# Altium PCB 电磁阀V3.0.PcbDoc (part 1 of 2)
Units mm, origin at the board's own origin, x right, y up, seen from the top; angles counter-clockwise.
Board outline 110.27 x 95.22 mm, 2 copper layers (Top Layer, Bottom Layer); 189 components, 127 nets, 558 pads, 104 vias.
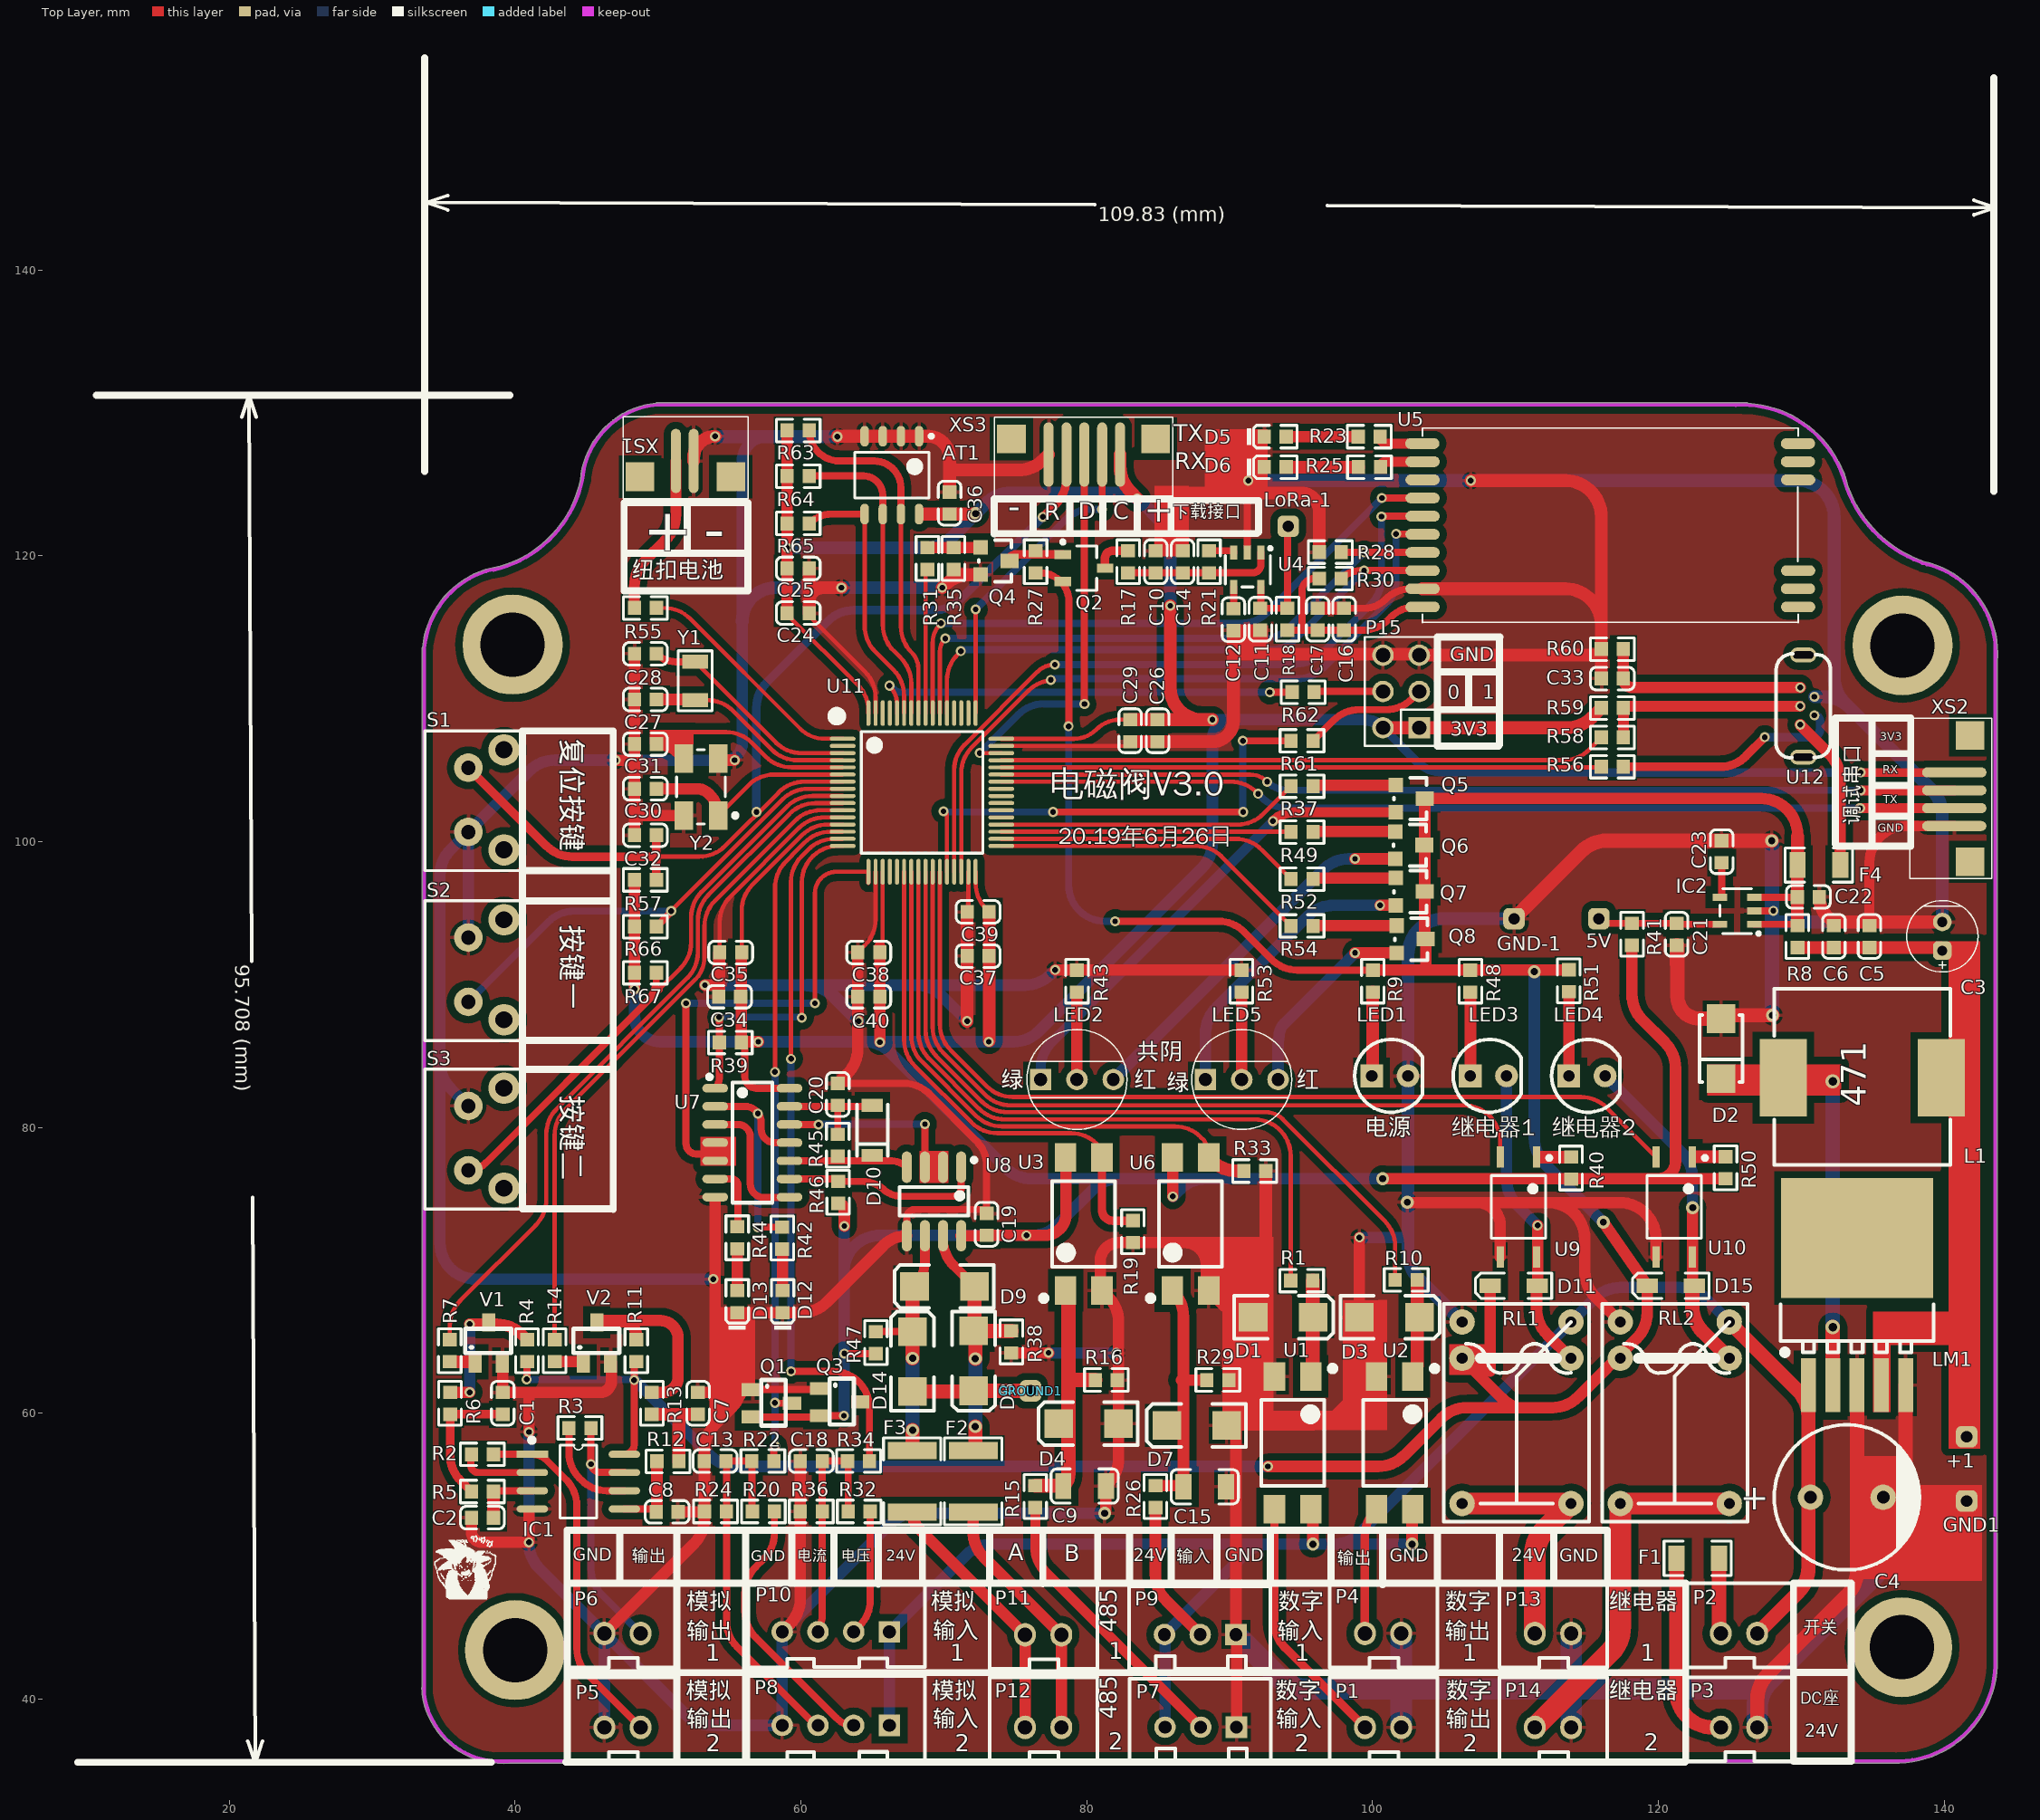
[diagram p0: Top Layer view]
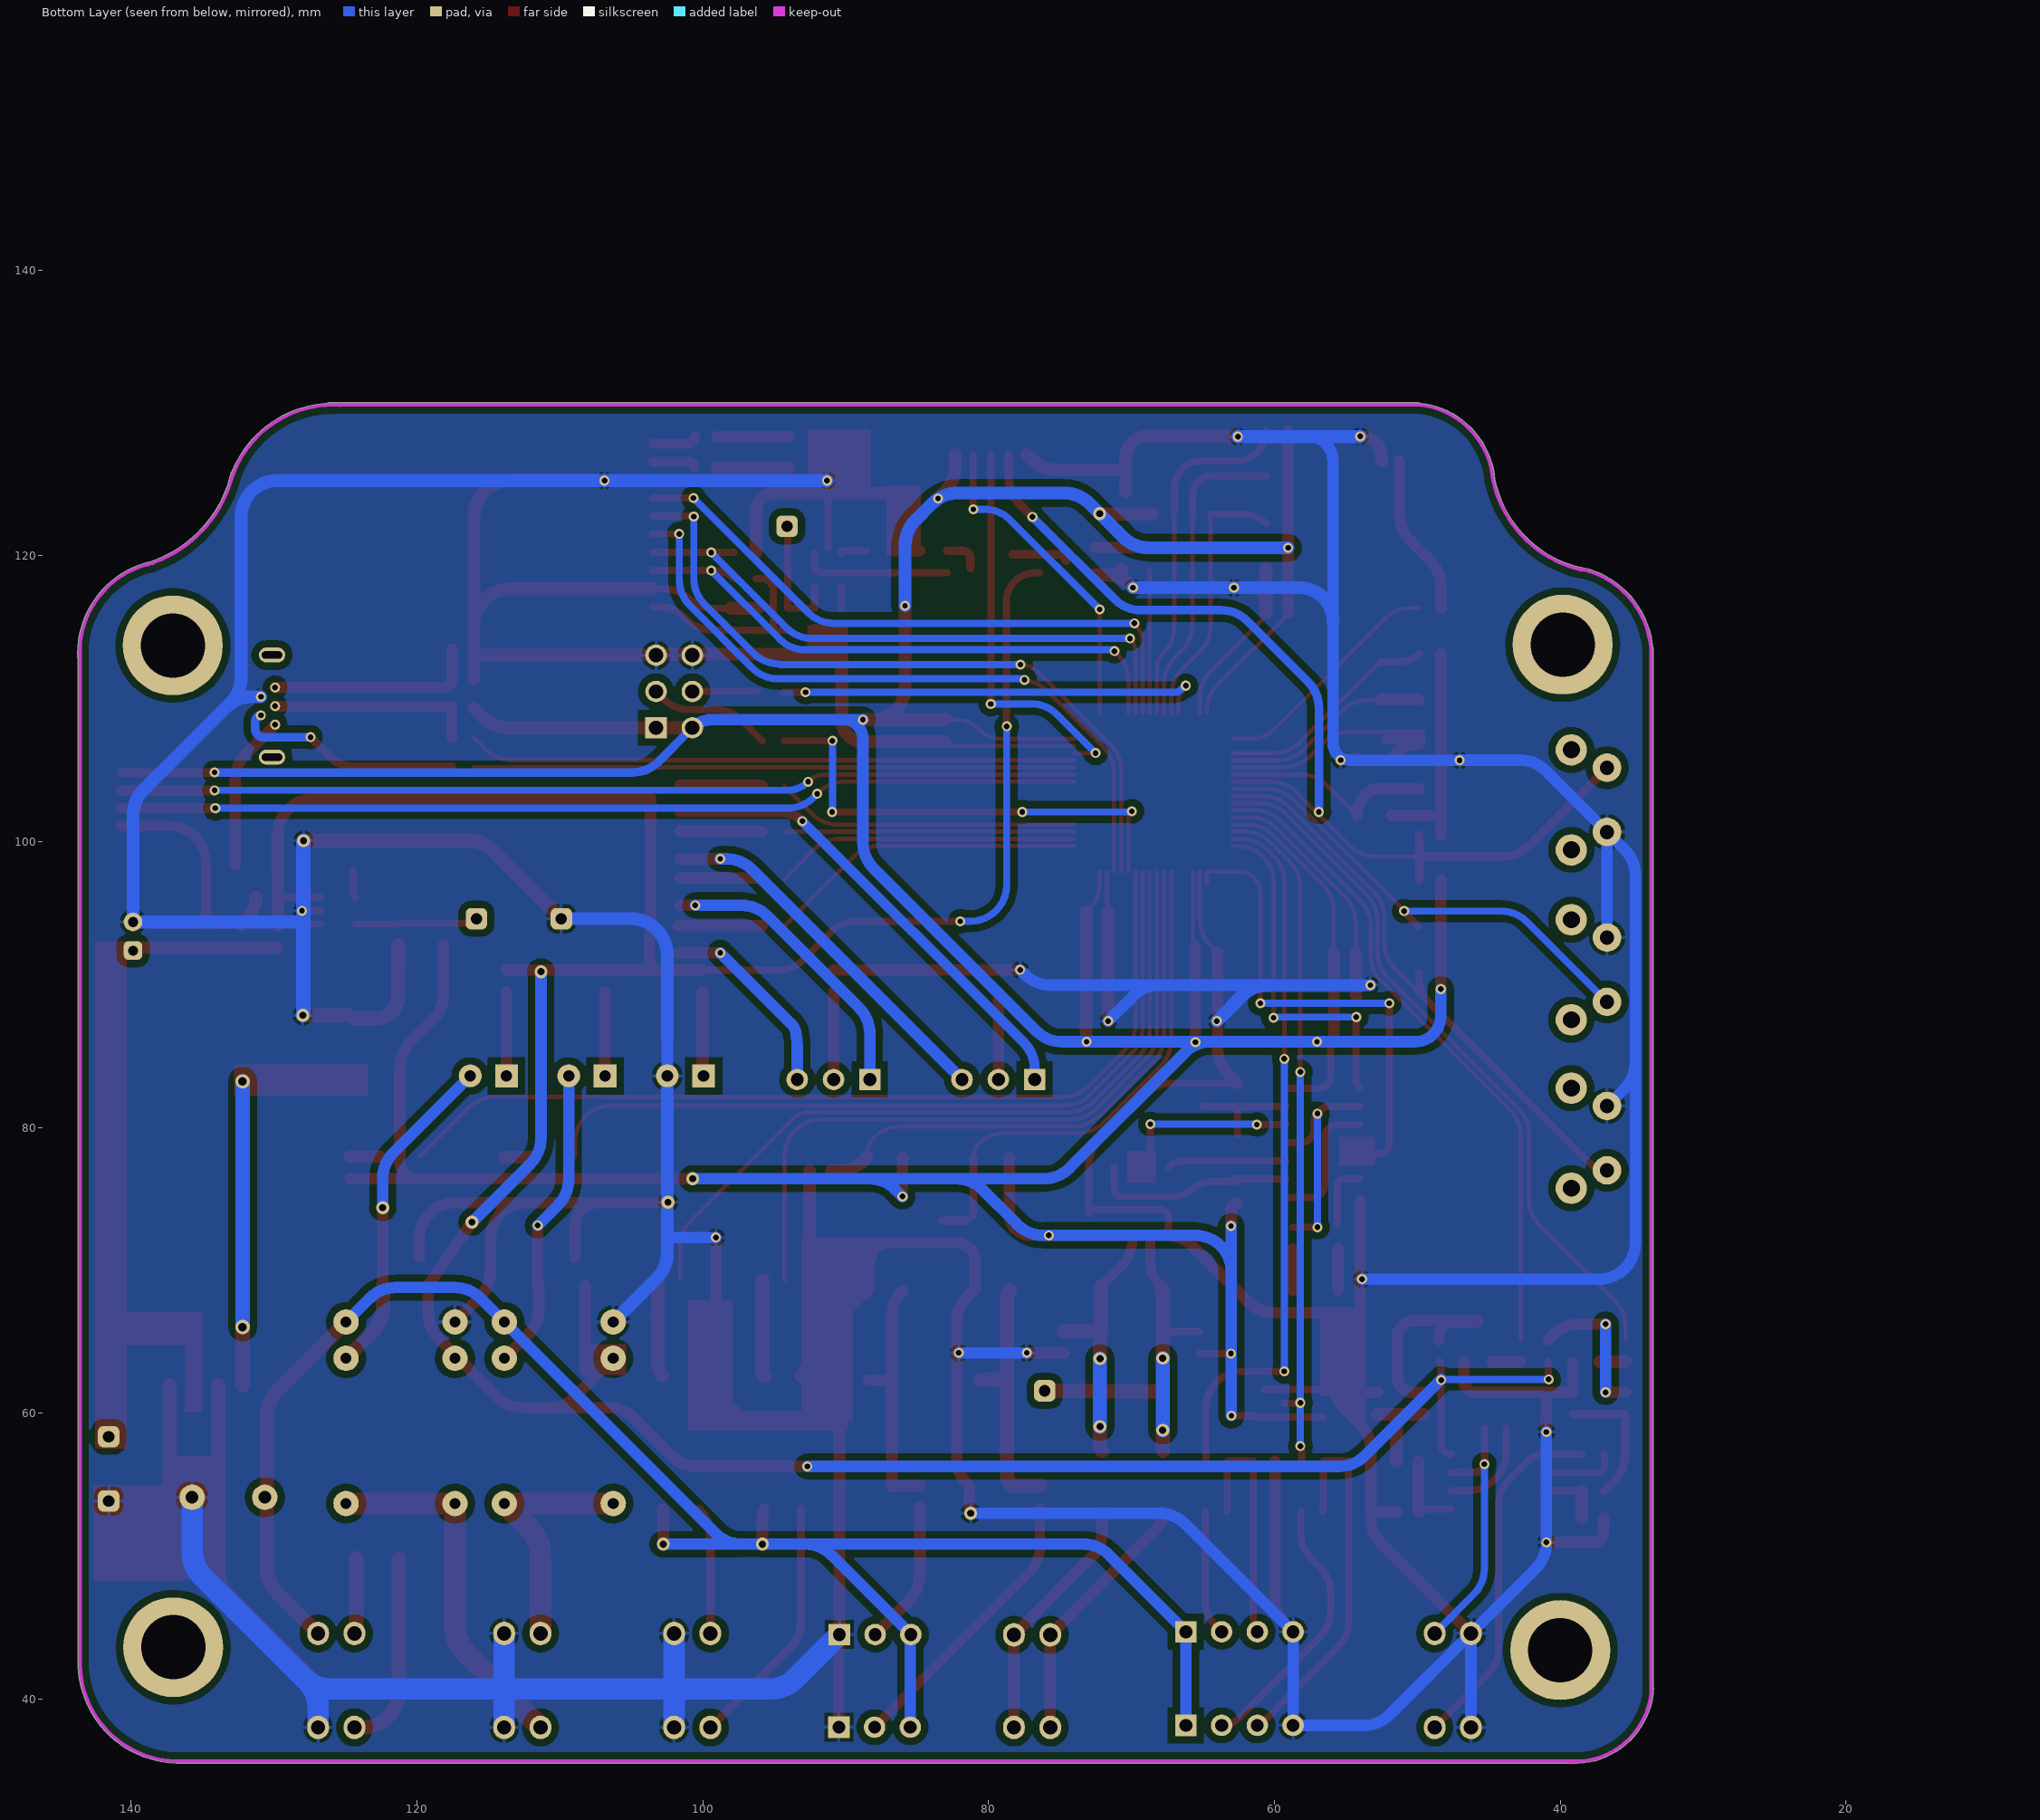
[diagram p1: Bottom Layer view, seen from below]
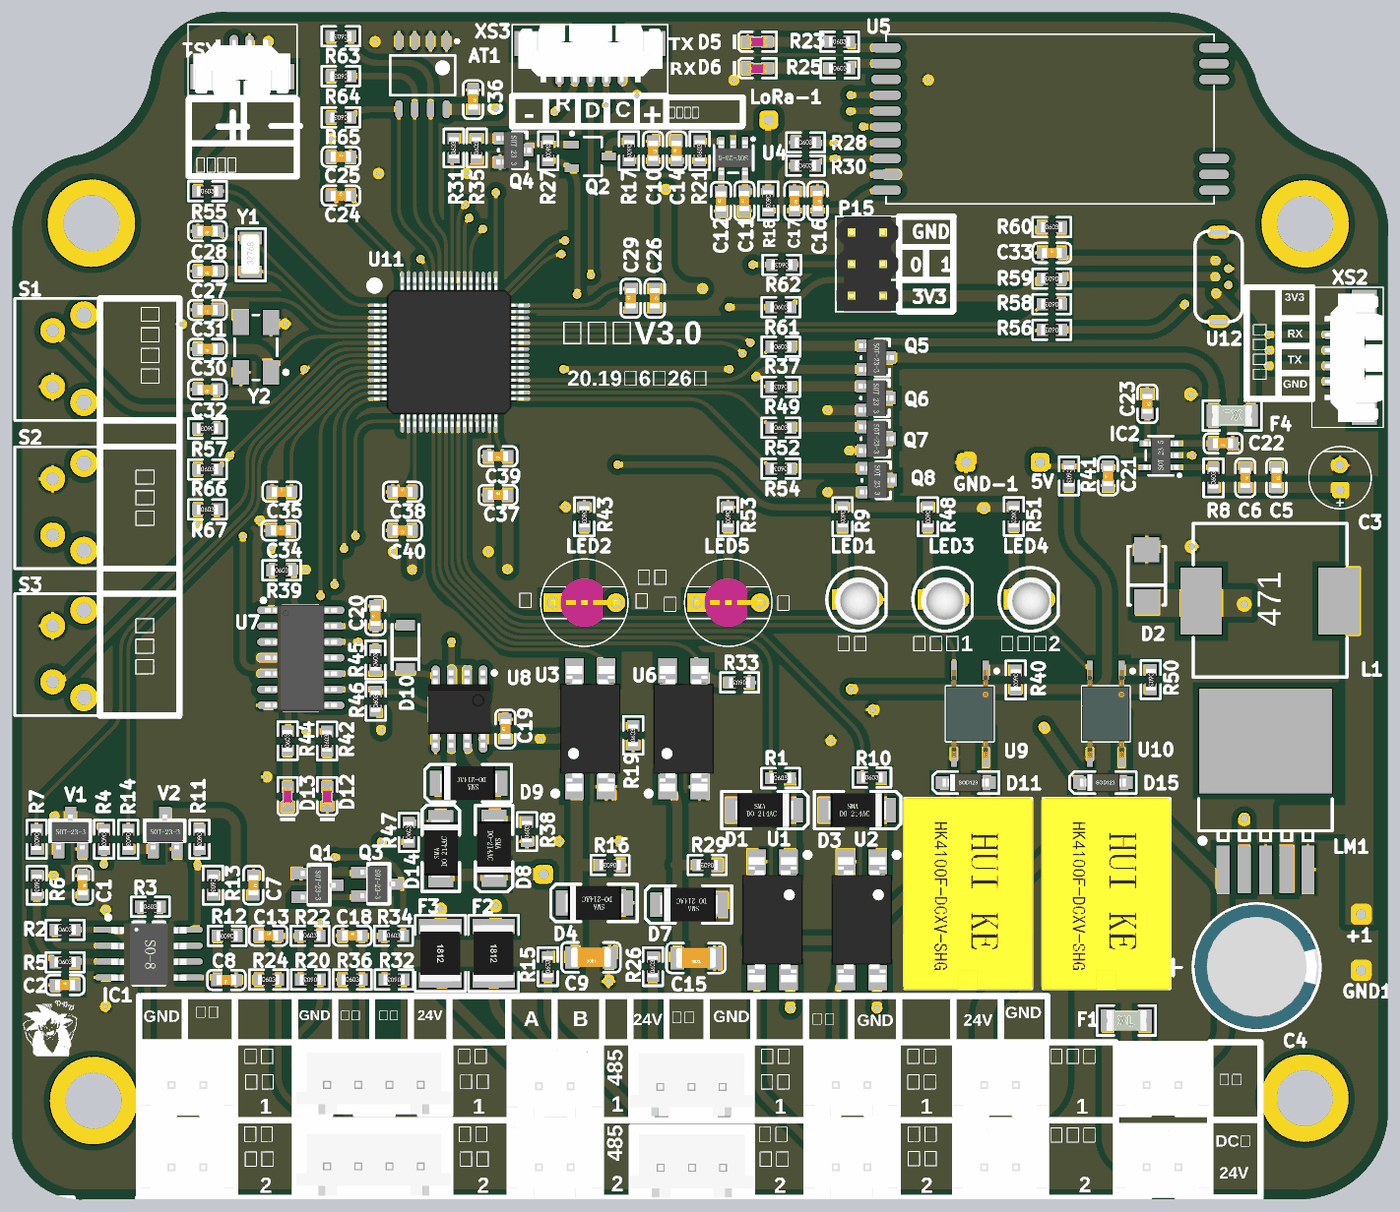
[diagram p3: 3D render of the assembled board from above, using the file's embedded part models]

## Layer stack, top to bottom
Top Layer: signal copper 0.0356
Dielectric: dielectric 0.32, FR-4, Dk 4.8
Bottom Layer: signal copper 0.0356

## Board outline
33.502,40.411 33.502,40.455 cw(c39.014,41.046) 33.478,40.759 cw(c33.605,40.766) 33.502,40.841 33.502,113.513 cw(c33.63,113.513) 33.529,113.59 cw(c39.855,112.994) 38.81,119.262 cw(c38.831,119.136) 38.878,119.254 ccw(c36.69,127.022) 44.578,125.317 cw(c50.444,124.841) 49.859,130.698 cw(c49.911,130.581) 49.911,130.709 49.982,130.709 cw(c50.444,124.841) 50.907,130.709 126.213,130.709 cw(c126.213,130.581) 126.289,130.684 cw(c125.857,123.063) 132.998,125.758 cw(c132.911,125.665) 133.034,125.696 ccw(c141.415,127.775) 133.067,125.567 cw(c125.857,123.063) 133.124,125.399 cw(c133.002,125.36) 133.13,125.36 cw(c133.002,125.36) 133.129,125.346 ccw(c141.415,127.775) 138.598,119.613 cw(c137.173,113.195) 143.747,113.195 cw(c137.173,113.195) 143.739,112.871 cw(c143.612,112.878) 143.714,112.801 143.714,42.316 cw(c143.586,42.316) 143.713,42.312 cw(c136.677,42.57) 136.421,35.534 39.605,35.534 cw(c39.014,41.046) 33.513,40.359 cw(c33.63,40.411)

## Design rules (kind name [scope] priority, off if disabled: settings)
Clearance [All] p1: gap=0.5
HoleSize [All] p1: absolutevalues=TRUE maxlimit=100 minlimit=0.025 maxpercent=80.000 minpercent=20.000
HoleToHoleClearance [All] p1: gap=0 allowstackedmicrovias=TRUE
MinimumSolderMaskSliver [All] p1: minsoldermaskwidth=0
PolygonConnect [All] p1: connectstyle=Relief reliefconductorwidth=0.254 reliefentries=4 polygonreliefangle="90 Angle"
RoutingVias [All] p1: holewidth=1 width=3 viastyle="Through Hole" minholewidth=0.3 minwidth=0.6 maxholewidth=3 maxwidth=10
SilkToSilkClearance [All] p1: silktosilkclearance=0
SilkscreenOverComponentPads SilkToSolderMaskClearance [IsPad] p1: minsilkscreentomaskgap=0
SolderMaskExpansion [All] p1: expansion=0.102
Width [All] p1: maxlimit=2.54 minlimit=0.127 preferedwidth=0.254
23 further rules are at their usual default settings.

## Components (designator, comment, footprint, x,y, rotation, side; value= is the part's Value field where it differs from the comment)
5V "3.3V" TEST_POINT 115.849,94.615 r90 top (schematic designator 1)
+1 "+5V" TEST_POINT 141.58,58.369 r0 top
AT1 "AT24C02" AT24C02 66.37,125.654 r270 top
C1 "100nF (104) 10% 50V" LC-0603_C 39.141,60.706 r270 top
C2 "100nF (104) 10% 50V" LC-0603_C 37.719,52.705 r0 top
C3 "100uF/16V" CAP5*X 139.878,92.386 r90 top
C4 "680uF35V" C10x16 130.658,54.153 r180 top
C5 "10uF (106) 10% 10V" LC-0603_C 134.78,93.37 r270 top
C6 "100nF (104) 10% 50V" LC-0603_C 132.288,93.37 r270 top
C7 "100nF (104) 10% 50V" LC-0603_C 52.807,60.706 r270 top
C8 "100nF (104) 10% 50V" LC-0603_C 50.648,53.111 r180 top
C9 "10nF (103) 10% 1KV" LC-1206_C 79.858,54.915 r180 top
C10 "100nF (104) 10% 50V" LC-0603_C 86.716,119.591 r90 top
C11 "10uF (106) 10% 10V" LC-0603_C 92.151,115.57 r90 top
C12 "10nF (103) 10% 50V" LC-0603_C 90.272,115.545 r90 top
C13 "100nF (104) 10% 50V" LC-0603_C 54,56.661 r0 top
C14 "10uF (106) 10% 10V" LC-0603_C 84.836,119.591 r270 top
C15 "10nF (103) 10% 1KV" LC-1206_C 88.265,54.864 r180 top
C16 "10uF (106) 10% 10V" LC-0603_C 98.019,115.573 r270 top
C17 "100nF (104) 10% 50V" LC-0603_C 96.164,115.573 r270 top
C18 "100nF (104) 10% 50V" LC-0603_C 60.731,56.661 r0 top
C19 "100nF (104) 10% 50V" LC-0603_C 73,73.228 r90 top
C20 "100nF (104) 10% 50V" LC-0603_C 62.586,82.321 r90 top
C21 "1uF (105) 10% 50V" LC-0603_C 121.285,93.523 r90 top
C22 "1uF (105) 10% 50V" LC-0603_C 130.505,96.139 r180 top
C23 "22nF (223) 10% 50V" LC-0603_C 124.435,99.306 r270 top
C24 "10uF/10V" C-0603 59.817,116.002 r0 top
C25 "0.1uF/50V" C-0603 59.817,119.126 r0 top
C26 "0.1uF/50V" C-0603 84.963,107.772 r270 top
C27 "6pF/50V" C-0603 49.124,109.957 r180 top
C28 "6pF/50V" C-0603 49.124,113.157 r180 top
C29 "10uF/10V" C-0603 83.045,107.772 r90 top
C30 "20pF/50V" C-0603 49.124,103.708 r180 top
C31 "20pF/50V" C-0603 49.124,106.832 r180 top
C32 "0.1uF/50V" C-0603 49.124,100.457 r180 top
C33 "100nF (104) 10% 50V" LC-0603_C 116.789,111.417 r0 top
C34 "10uF/10V" C-0603 55.016,89.154 r0 top
C35 "0.1uF/50V" C-0603 55.093,92.253 r0 top
C36 "100nF (104) 10% 50V" LC-0603_C 70.409,123.698 r270 top
C37 "0.1uF/50V" C-0603 72.406,91.999 r0 top
C38 "0.1uF/50V" C-0603 64.753,92.253 r0 top
C39 "10uF/10V" C-0603 72.406,95.098 r180 top
C40 "10uF/10V" C-0603 64.753,89.154 r180 top
D1 "IN4007-M7" DO-214AC 93.701,66.725 r0 top
D2 "SS54" LC-SMA(DO-214AC)_S1 124.384,85.522 r90 top
D3 "IN4007-M7" DO-214AC 101.143,66.725 r0 top
D4 "IN4007-M7" DO-214AC 80.188,59.284 r180 top
D5 "红灯 0603" LC-0603_LED_S1 93.193,128.346 r0 top
D6 "绿灯 0603" LC-0603_LED_S1 93.193,126.213 r0 top
D7 "IN4007-M7" DO-214AC 87.757,59.157 r180 top
D8 "SMAJ6.5CA" DO-214AC 72.085,63.729 r270 top
D9 "SMAJ6.5CA" DO-214AC 70.104,68.885 r180 top
D10 "1N4148" LL-34 64.999,79.807 r90 top
D11 "1N4148" SOD-123 109.88,68.936 r0 top
D12 "红灯 0603" LC-0603_LED_S1 58.725,67.818 r90 top
D13 "蓝灯 0603" LC-0603_LED_S1 55.55,67.818 r90 top
D14 "SMAJ6.5CA" DO-214AC 67.818,63.576 r90 top
D15 "1N4148" SOD-123 120.879,68.936 r0 top
F1 "32V/5A" Fuse-1206 122.758,49.86 r0 top
F2 "0.1A 60V" R-1812 72.06,55.245 r270 top
F3 "0.1A 60V" R-1812 67.793,55.245 r270 top
F4 "32V/5A" FUSE-1206 131.242,98.374 r180 top
GND1 "GND" TEST_POINT 141.58,53.873 r90 top
GND-1 "3.3V" TEST_POINT 109.906,94.615 r90 top
GROUND1 "12V" TEST_POINT 76.073,61.578 r90 top
IC1 "TLV2472" SOP8 41.21,57.135 r0 top
IC2 "RT9193-33GB" SOT23-5 124.378,94.158 r90 top
L1 "47uH ±20%" SMD,13.8x12.6x7mm 134.087,83.49 r90 top
LED1 "LED-5mm" LED_5mm 99.949,83.617 r0 top
LED2 "LED2_双色共阴" ˫ɫLED 76.784,83.363 r0 top
LED3 "LED-5mm" LED_5mm 106.845,83.617 r0 top
LED4 "LED-5mm" LED_5mm 113.741,83.617 r0 top
LED5 "LED2_双色共阴" ˫ɫLED 88.316,83.363 r0 top
LM1 "LM2596-5.0" LC-TO-263-5 133.911,61.976 r270 top
LoRa-1 "3.3V" TEST_POINT 94.107,122.072 r180 top
P1 "Harder_2" 2Pin-2.54A 99.471,38.024 r180 top
P2 "Harder_2" 2Pin-2.54A 124.384,44.602 r180 top
P3 "Harder_2" 2Pin-2.54A 124.384,38.024 r180 top
P4 "Harder_2" 2Pin-2.54A 99.471,44.602 r180 top
P5 "Harder_2" 2Pin-2.54A 46.251,38.024 r180 top
P6 "Harder_2" 2Pin-2.54A 46.251,44.602 r180 top
P7 "harder_3" 3PIN-2.54 90.486,38.042 r180 top
P8 "Harder_4" "4PIN-2.54 A" 66.199,38.169 r180 top
P9 "harder_3" 3PIN-2.54 90.446,44.526 r180 top
P10 "Harder_4" "4PIN-2.54 A" 66.199,44.714 r180 top
P11 "Harder_2" 2Pin-2.54A 75.689,44.508 r180 top
P12 "Harder_2" 2Pin-2.54A 75.689,38.024 r180 top
P13 "Harder_2" 2Pin-2.54A 111.362,44.602 r180 top
P14 "Harder_2" 2Pin-2.54A 111.362,38.024 r180 top
P15 "2*3  2.54" 201S2X3 103.276,107.975 r90 top
Q1 "BAT54S" SOT-23-3 56.617,61.646 r270 top
Q2 "AO3401A P道沟 X13A15 SOT-23" LC-SOT-23-3L 79.807,119.151 r180 top
Q3 "BAT54S" SOT-23-3 61.392,61.738 r270 top
Q4 "SS8050" SOT-23 72.552,120.715 r270 top
Q5 "SS8050" SOT-23 101.609,104.086 r270 top
Q6 "SS8050" SOT-23 101.584,100.835 r270 top
Q7 "SS8050" SOT-23 101.609,97.584 r270 top
Q8 "SS8050" SOT-23 101.686,94.256 r270 top
R1 "510Ω (5100) ±1%" LC-0603_R 95.047,69.291 r0 top
R2 "200KΩ (2003) ±1%" LC-0603_R 37.719,57.135 r0 top
R3 "200KΩ (2003) ±1%" LC-0603_R 44.544,58.979 r0 top
R4 "2KΩ (2001) ±1%" LC-0603_R 40.843,64.385 r270 top
R5 "100KΩ (1003) ±1%" LC-0603_R 37.719,54.534 r0 top
R6 "100KΩ (1003) ±1%" LC-0603_R 35.458,60.706 r270 top
R7 "1KΩ (1001) ±1%" LC-0603_R 35.433,64.385 r270 top
R8 "0Ω (0R0) ±1%" LC-0603_R 129.735,93.37 r90 top
R9 "1KΩ (1001) ±1%" LC-0603_R 100.025,90.246 r270 top
R10 "510Ω (5100) ±1%" LC-0603_R 102.362,69.342 r0 top
R11 "2KΩ (2001) ±1%" LC-0603_R 48.489,64.385 r270 top
R12 "100KΩ (1003) ±1%" LC-0603_R 50.698,56.642 r180 top
R13 "100KΩ (1003) ±1%" LC-0603_R 49.573,60.706 r270 top
R14 "1KΩ (1001) ±1%" LC-0603_R 42.774,64.385 r270 top
R15 "510Ω (5100) ±1%" LC-0603_R 76.403,54.178 r90 top
R16 "510Ω (5100) ±1%" LC-0603_R 81.382,62.332 r180 top
R17 "0Ω (0R0) ±1%" LC-0603_R 82.906,119.591 r270 top
R18 "0Ω (0R0) ±1%" LC-0603_R 94.056,115.573 r270 top
R19 "4.7KΩ (4701) ±1%" LC-0603_R 83.236,72.72 r90 top
R20 "1.2KΩ (1201) ±1%" LC-0603_R 57.379,53.137 r180 top
R21 "100KΩ (1003) ±1%" LC-0603_R 88.57,119.591 r90 top
R22 "10KΩ (1002) ±1%" LC-0603_R 57.345,56.661 r0 top
R23 "2KΩ (2001) ±1%" LC-0603_R 99.771,128.346 r0 top
R24 "120Ω (1200) ±1%" LC-0603_R 54.026,53.137 r0 top
R25 "2KΩ (2001) ±1%" LC-0603_R 99.797,126.213 r0 top
R26 "510Ω (5100) ±1%" LC-0603_R 84.811,54.178 r90 top
R27 "100KΩ (1003) ±1%" LC-0603_R 76.429,119.591 r270 top
R28 "10KΩ (1002) ±1%" LC-0603_R 97.053,120.269 r0 top
R29 "510Ω (5100) ±1%" LC-0603_R 89.179,62.332 r180 top
R30 "10KΩ (1002) ±1%" LC-0603_R 97.053,118.415 r0 top
R31 "3.3KΩ (3301) ±1%" LC-0603_R 68.859,119.82 r90 top
R32 "1.2KΩ (1201) ±1%" LC-0603_R 64.084,53.137 r180 top
R33 "4.7KΩ (4701) ±1%" LC-0603_R 91.77,76.962 r180 top
R34 "10KΩ (1002) ±1%" LC-0603_R 64.033,56.661 r0 top
R35 "10KΩ (1002) ±1%" LC-0603_R 70.687,119.82 r90 top
R36 "120Ω (1200) ±1%" LC-0603_R 60.731,53.137 r0 top
R37 "1KΩ (1001) ±1%" LC-0603_R 95.072,103.886 r0 top